# Altium PCB CU-ON-OFF-V2-08-11-18.PcbDoc (part 1 of 14)
Units mm, origin at the board's own origin, x right, y up, seen from the top; angles counter-clockwise.
Board outline 213 x 122.62 mm, 2 copper layers (Top Layer, Bottom Layer); 304 components, 53 nets, 991 pads, 702 vias.
Unrouted connection lines stored in the file: 1.
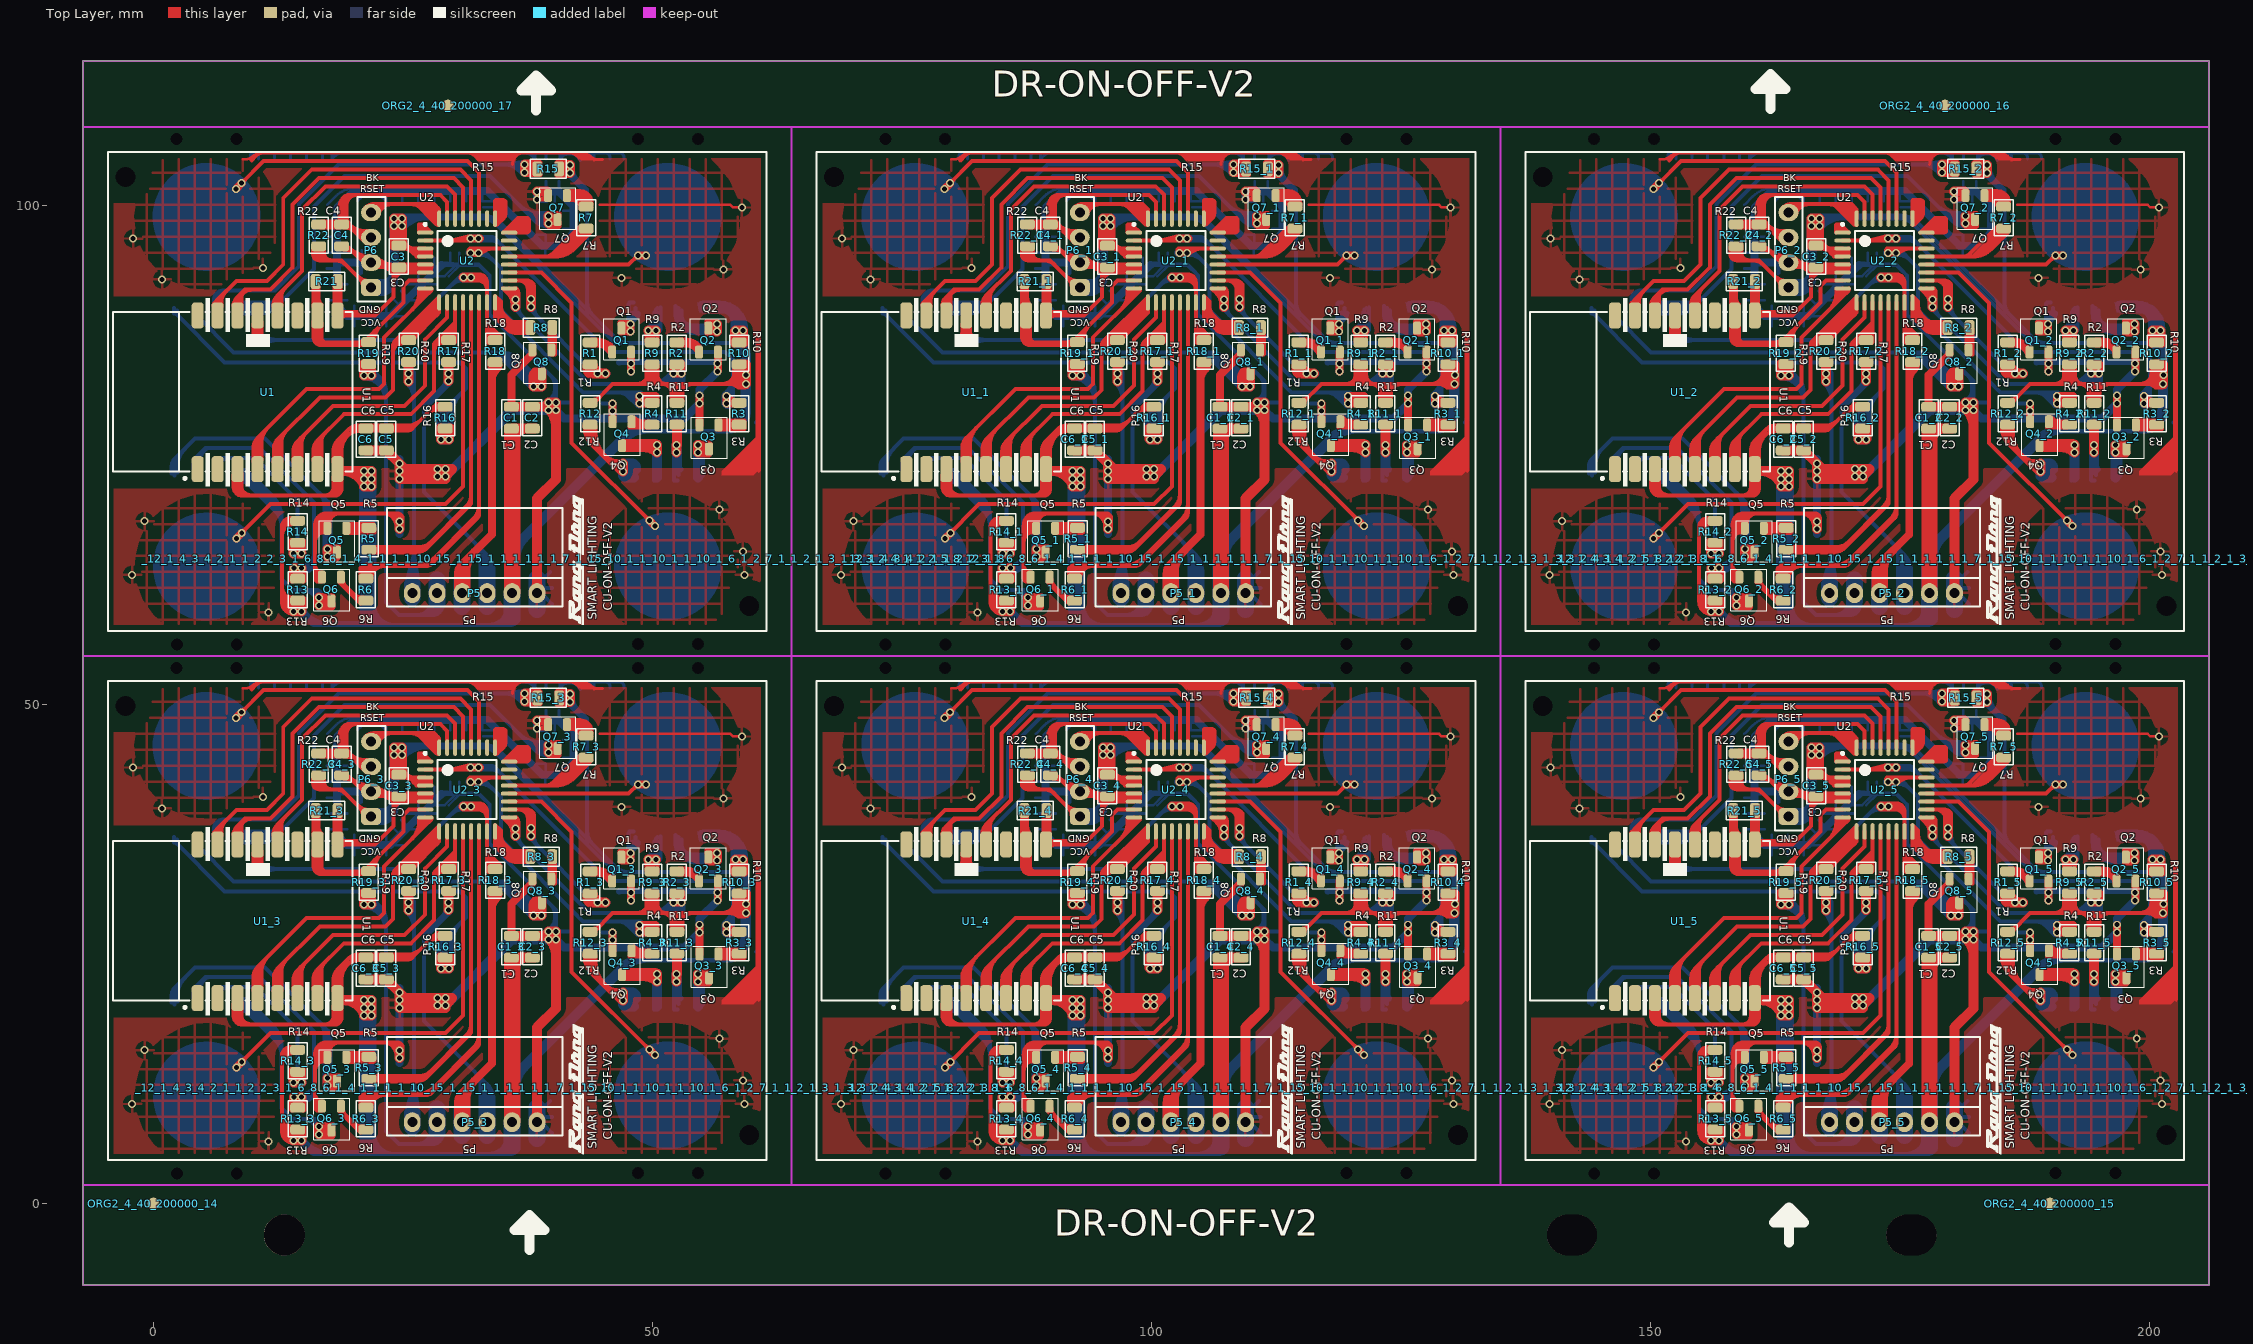
[diagram p0: Top Layer view]
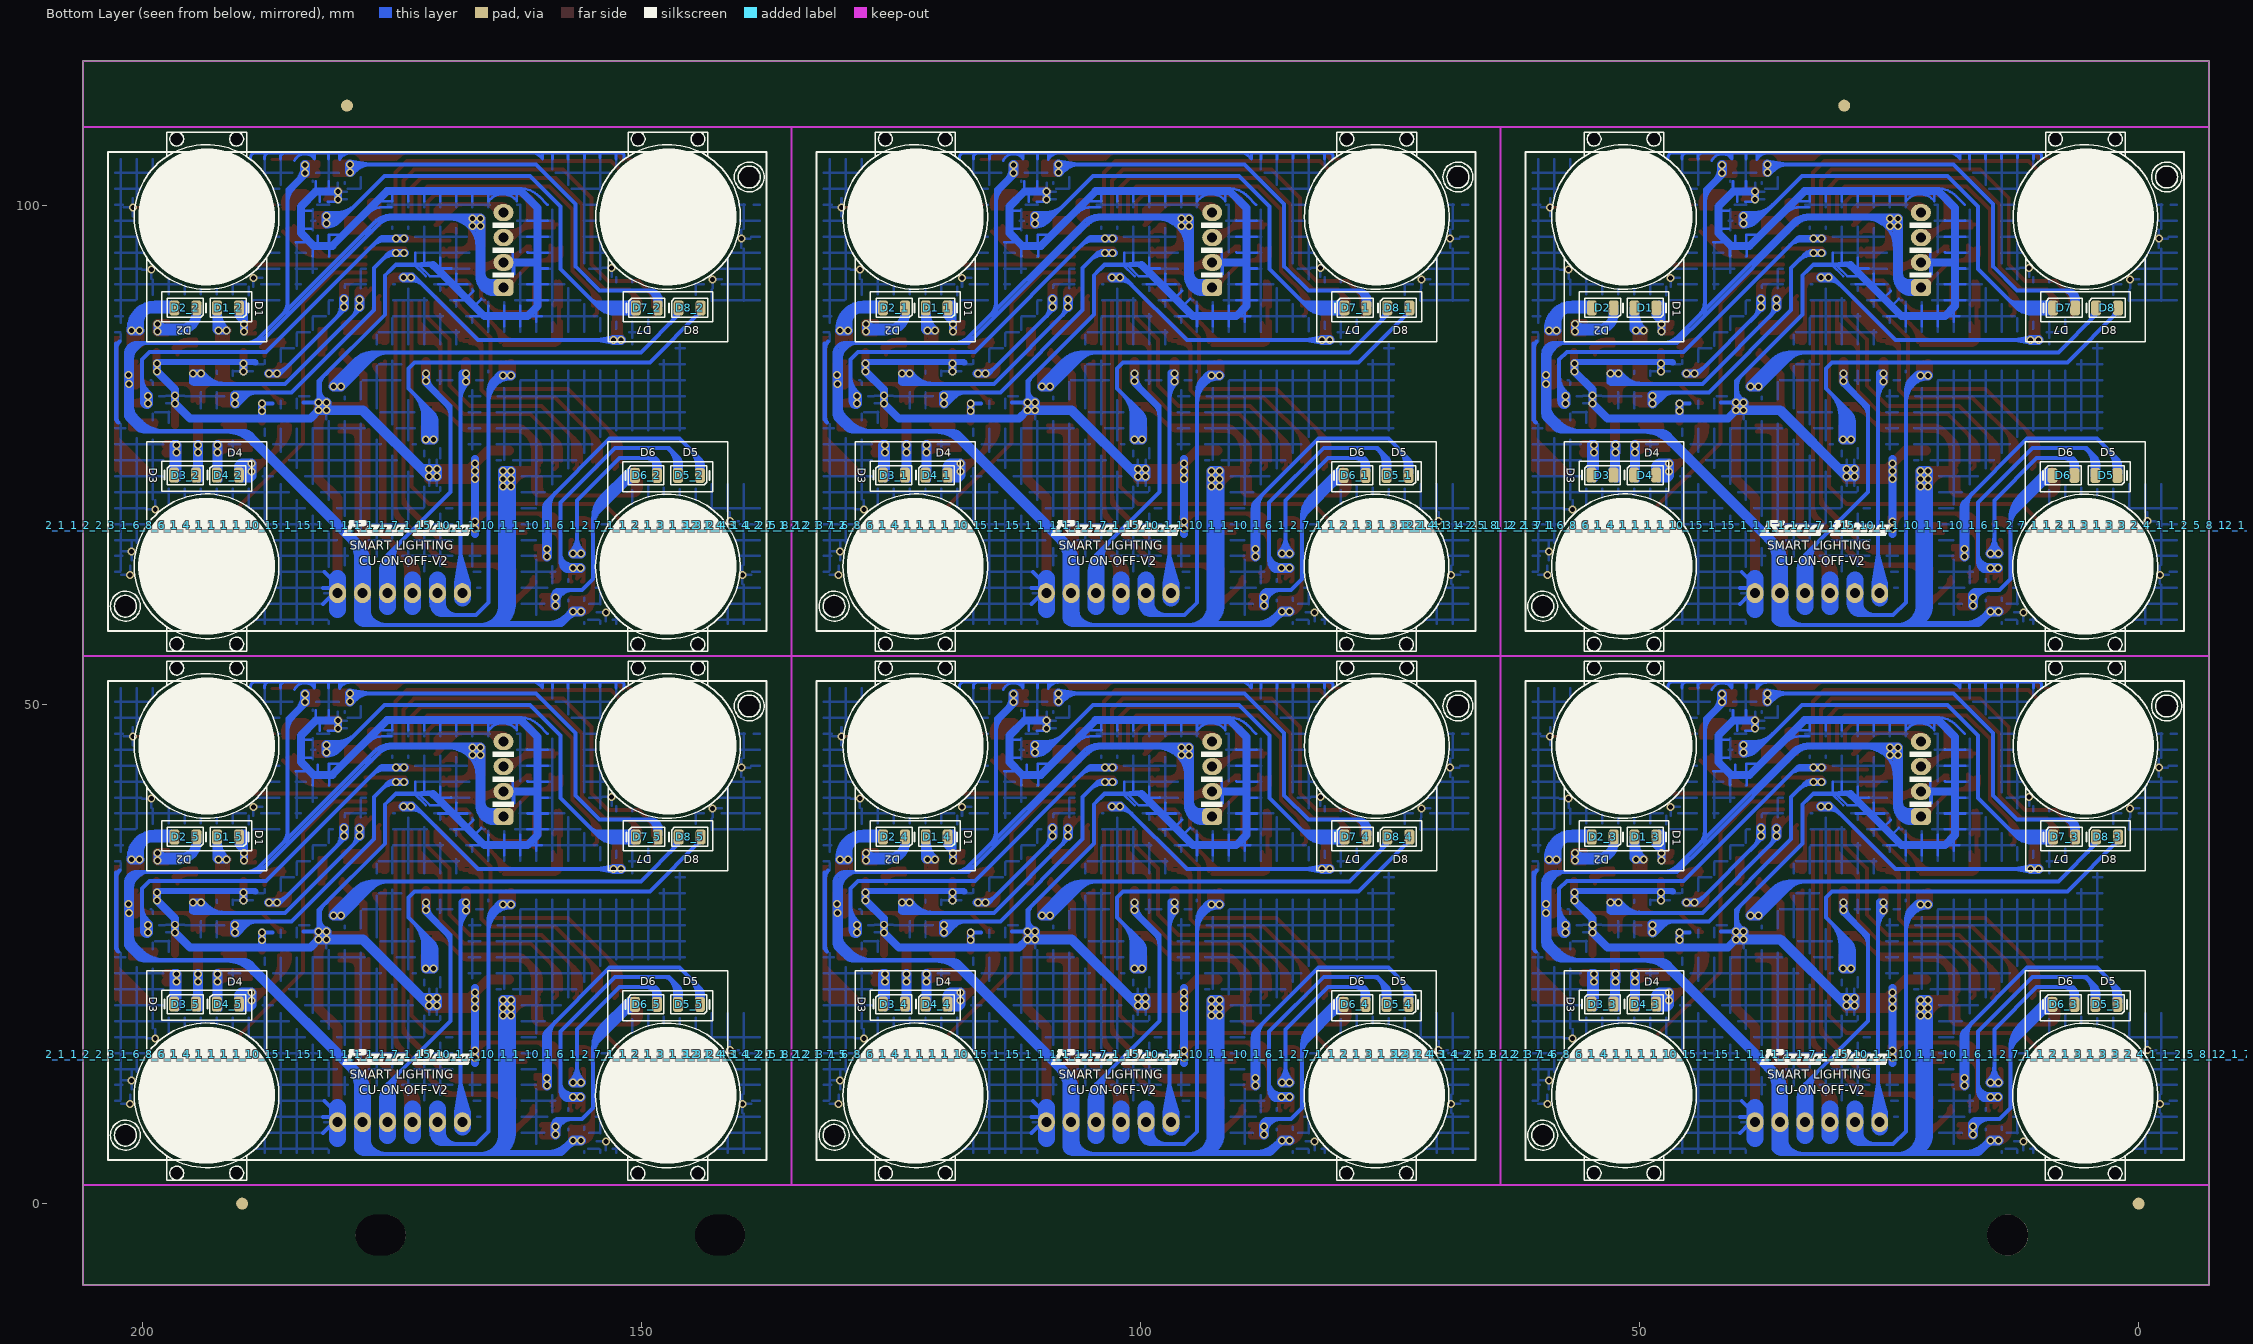
[diagram p1: Bottom Layer view, seen from below]

## Layer stack, top to bottom
Top Layer: signal copper 0.0356
Dielectric: dielectric 0.32, FR-4, Dk 4.8
Bottom Layer: signal copper 0.0356

## Board outline
-7.05,114.474 205.95,114.474 205.95,-8.149 -7.05,-8.149

## Design rules (kind name [scope] priority, off if disabled: settings)
Clearance [All] p1: gap=0.5
PolygonConnect [All] p1: connectstyle=Relief reliefconductorwidth=0.254 reliefentries=4 polygonreliefangle="90 Angle"
RoutingVias [All] p1: holewidth=0.711 width=1.27 viastyle="Through Hole" minholewidth=0.711 minwidth=1.27 maxholewidth=0.711 maxwidth=1.27
SilkscreenOverComponentPads [All] p1: minsilkscreentomaskgap=0.254
SolderMaskExpansion [All] p1: expansion=0.102
Width GND [All] p1: maxlimit=0.4 minlimit=0.4 preferedwidth=0.4
Width [InNet('GND')] p2: maxlimit=0.6 minlimit=0.6 preferedwidth=0.6
27 further rules are at their usual default settings.

## Classes and differential pairs
component class Sheet1: C1 C2 C3 C4 C5 C6 D1 D2 D3 D4 D5 D6 D7 D8 P5 P6 Q1 Q2 Q3 Q4 Q5 Q6 Q7 Q8 R1 R2 R3 R4 R5 R6 R7 R8 R9 R10 R11 R12 R13 R14 R15 R16 R17 R18 R19 R20 R21 R22 U1 U2

## Components (designator, comment, footprint, x,y, rotation, side; value= is the part's Value field where it differs from the comment)
_12_1_4_3_4_2_1_1_2_2_3_1_6_8_6_1_4_1_1_1_1_10_15_1_15_1_1_1_1_1_1_7_1_15_10_1_1_10_1_1_10_1_6_1_2_7_1_1_2_1_3_1_3_3_2_4_1_1_2_5_8_12_1_7 "" "LOGO RD" 31.321,67.936 r180 bottom
_12_1_4_3_4_2_1_1_2_2_3_1_6_8_6_1_4_1_1_1_1_10_15_1_15_1_1_1_1_1_1_7_1_15_10_1_1_10_1_1_10_1_6_1_2_7_1_1_2_1_3_1_3_3_2_4_1_1_2_5_8_12_1_7_1 "" "LOGO RD" 102.321,67.936 r180 bottom
_12_1_4_3_4_2_1_1_2_2_3_1_6_8_6_1_4_1_1_1_1_10_15_1_15_1_1_1_1_1_1_7_1_15_10_1_1_10_1_1_10_1_6_1_2_7_1_1_2_1_3_1_3_3_2_4_1_1_2_5_8_12_1_7_2 "" "LOGO RD" 173.321,67.936 r180 bottom
_12_1_4_3_4_2_1_1_2_2_3_1_6_8_6_1_4_1_1_1_1_10_15_1_15_1_1_1_1_1_1_7_1_15_10_1_1_10_1_1_10_1_6_1_2_7_1_1_2_1_3_1_3_3_2_4_1_1_2_5_8_12_1_7_3 "" "LOGO RD" 31.321,14.937 r180 bottom
_12_1_4_3_4_2_1_1_2_2_3_1_6_8_6_1_4_1_1_1_1_10_15_1_15_1_1_1_1_1_1_7_1_15_10_1_1_10_1_1_10_1_6_1_2_7_1_1_2_1_3_1_3_3_2_4_1_1_2_5_8_12_1_7_4 "" "LOGO RD" 102.321,14.937 r180 bottom
_12_1_4_3_4_2_1_1_2_2_3_1_6_8_6_1_4_1_1_1_1_10_15_1_15_1_1_1_1_1_1_7_1_15_10_1_1_10_1_1_10_1_6_1_2_7_1_1_2_1_3_1_3_3_2_4_1_1_2_5_8_12_1_7_5 "" "LOGO RD" 173.321,14.937 r180 bottom
_12_1_4_3_4_2_1_1_2_2_3_1_6_8_6_1_4_1_1_1_1_10_15_1_15_1_1_1_1_1_1_7_1_15_10_1_1_10_1_1_10_1_6_1_2_7_1_1_2_1_3_1_3_3_2_4_1_1_2_5_8_12_1_8 "" "LOGO RD" 42.115,64.591 r90 top
_12_1_4_3_4_2_1_1_2_2_3_1_6_8_6_1_4_1_1_1_1_10_15_1_15_1_1_1_1_1_1_7_1_15_10_1_1_10_1_1_10_1_6_1_2_7_1_1_2_1_3_1_3_3_2_4_1_1_2_5_8_12_1_8_1 "" "LOGO RD" 113.115,64.591 r90 top
_12_1_4_3_4_2_1_1_2_2_3_1_6_8_6_1_4_1_1_1_1_10_15_1_15_1_1_1_1_1_1_7_1_15_10_1_1_10_1_1_10_1_6_1_2_7_1_1_2_1_3_1_3_3_2_4_1_1_2_5_8_12_1_8_2 "" "LOGO RD" 184.115,64.591 r90 top
_12_1_4_3_4_2_1_1_2_2_3_1_6_8_6_1_4_1_1_1_1_10_15_1_15_1_1_1_1_1_1_7_1_15_10_1_1_10_1_1_10_1_6_1_2_7_1_1_2_1_3_1_3_3_2_4_1_1_2_5_8_12_1_8_3 "" "LOGO RD" 42.115,11.592 r90 top
_12_1_4_3_4_2_1_1_2_2_3_1_6_8_6_1_4_1_1_1_1_10_15_1_15_1_1_1_1_1_1_7_1_15_10_1_1_10_1_1_10_1_6_1_2_7_1_1_2_1_3_1_3_3_2_4_1_1_2_5_8_12_1_8_4 "" "LOGO RD" 113.115,11.592 r90 top
_12_1_4_3_4_2_1_1_2_2_3_1_6_8_6_1_4_1_1_1_1_10_15_1_15_1_1_1_1_1_1_7_1_15_10_1_1_10_1_1_10_1_6_1_2_7_1_1_2_1_3_1_3_3_2_4_1_1_2_5_8_12_1_8_5 "" "LOGO RD" 184.115,11.592 r90 top
C1 "1uF/25V/50V/0805" "tu 0805" 35.866,78.731 r0 top
C1_1 "1uF/25V/50V/0805" "tu 0805" 106.866,78.731 r0 top (schematic designator C1)
C1_2 "1uF/25V/50V/0805" "tu 0805" 177.866,78.731 r0 top (schematic designator C1)
C1_3 "1uF/25V/50V/0805" "tu 0805" 35.866,25.732 r0 top (schematic designator C1)
C1_4 "1uF/25V/50V/0805" "tu 0805" 106.866,25.732 r0 top (schematic designator C1)
C1_5 "1uF/25V/50V/0805" "tu 0805" 177.866,25.732 r0 top (schematic designator C1)
C2 "100nF/50V/0805" "tu 0805" 37.966,78.731 r0 top
C2_1 "100nF/50V/0805" "tu 0805" 108.966,78.731 r0 top (schematic designator C2)
C2_2 "100nF/50V/0805" "tu 0805" 179.966,78.731 r0 top (schematic designator C2)
C2_3 "100nF/50V/0805" "tu 0805" 37.966,25.732 r0 top (schematic designator C2)
C2_4 "100nF/50V/0805" "tu 0805" 108.966,25.732 r0 top (schematic designator C2)
C2_5 "100nF/50V/0805" "tu 0805" 179.966,25.732 r0 top (schematic designator C2)
C3 "1uF/25V/50V/0805" "tu 0805" 24.591,94.881 r0 top
C3_1 "1uF/25V/50V/0805" "tu 0805" 95.591,94.881 r0 top (schematic designator C3)
C3_2 "1uF/25V/50V/0805" "tu 0805" 166.591,94.881 r0 top (schematic designator C3)
C3_3 "1uF/25V/50V/0805" "tu 0805" 24.591,41.882 r0 top (schematic designator C3)
C3_4 "1uF/25V/50V/0805" "tu 0805" 95.591,41.882 r0 top (schematic designator C3)
C3_5 "1uF/25V/50V/0805" "tu 0805" 166.591,41.882 r0 top (schematic designator C3)
C4 "1000pF/50V/0805" "tu 0805" 18.866,97.006 r0 top
C4_1 "1000pF/50V/0805" "tu 0805" 89.866,97.006 r0 top (schematic designator C4)
C4_2 "1000pF/50V/0805" "tu 0805" 160.866,97.006 r0 top (schematic designator C4)
C4_3 "1000pF/50V/0805" "tu 0805" 18.866,44.007 r0 top (schematic designator C4)
C4_4 "1000pF/50V/0805" "tu 0805" 89.866,44.007 r0 top (schematic designator C4)
C4_5 "1000pF/50V/0805" "tu 0805" 160.866,44.007 r0 top (schematic designator C4)
C5 "100nF/50V/0805" "tu 0805" 23.341,76.556 r0 top
C5_1 "100nF/50V/0805" "tu 0805" 94.341,76.556 r0 top (schematic designator C5)
C5_2 "100nF/50V/0805" "tu 0805" 165.341,76.556 r0 top (schematic designator C5)
C5_3 "100nF/50V/0805" "tu 0805" 23.341,23.557 r0 top (schematic designator C5)
C5_4 "100nF/50V/0805" "tu 0805" 94.341,23.557 r0 top (schematic designator C5)
C5_5 "100nF/50V/0805" "tu 0805" 165.341,23.557 r0 top (schematic designator C5)
C6 "10uF/10V/0805" "tu 0805" 21.291,76.556 r0 top
C6_1 "10uF/10V/0805" "tu 0805" 92.291,76.556 r0 top (schematic designator C6)
C6_2 "10uF/10V/0805" "tu 0805" 163.291,76.556 r0 top (schematic designator C6)
C6_3 "10uF/10V/0805" "tu 0805" 21.291,23.557 r0 top (schematic designator C6)
C6_4 "10uF/10V/0805" "tu 0805" 92.291,23.557 r0 top (schematic designator C6)
C6_5 "10uF/10V/0805" "tu 0805" 163.291,23.557 r0 top (schematic designator C6)
D1 "" "LED 0805" 49.416,89.731 r90 bottom
D1_1 "" "LED 0805" 120.416,89.731 r90 bottom (schematic designator D1)
D1_2 "" "LED 0805" 191.416,89.731 r90 bottom (schematic designator D1)
D1_3 "" "LED 0805" 49.416,36.732 r90 bottom (schematic designator D1)
D1_4 "" "LED 0805" 120.416,36.732 r90 bottom (schematic designator D1)
D1_5 "" "LED 0805" 191.416,36.732 r90 bottom (schematic designator D1)
D2 "" "LED 0805" 53.691,89.731 r90 bottom
D2_1 "" "LED 0805" 124.691,89.731 r90 bottom (schematic designator D2)
D2_2 "" "LED 0805" 195.691,89.731 r90 bottom (schematic designator D2)
D2_3 "" "LED 0805" 53.691,36.732 r90 bottom (schematic designator D2)
D2_4 "" "LED 0805" 124.691,36.732 r90 bottom (schematic designator D2)
D2_5 "" "LED 0805" 195.691,36.732 r90 bottom (schematic designator D2)
D3 "" "LED 0805" 53.716,72.981 r270 bottom
D3_1 "" "LED 0805" 124.716,72.981 r270 bottom (schematic designator D3)
D3_2 "" "LED 0805" 195.716,72.981 r270 bottom (schematic designator D3)
D3_3 "" "LED 0805" 53.716,19.982 r270 bottom (schematic designator D3)
D3_4 "" "LED 0805" 124.716,19.982 r270 bottom (schematic designator D3)
D3_5 "" "LED 0805" 195.716,19.982 r270 bottom (schematic designator D3)
D4 "" "LED 0805" 49.441,72.981 r270 bottom
D4_1 "" "LED 0805" 120.441,72.981 r270 bottom (schematic designator D4)
D4_2 "" "LED 0805" 191.441,72.981 r270 bottom (schematic designator D4)
D4_3 "" "LED 0805" 49.441,19.982 r270 bottom (schematic designator D4)
D4_4 "" "LED 0805" 120.441,19.982 r270 bottom (schematic designator D4)
D4_5 "" "LED 0805" 191.441,19.982 r270 bottom (schematic designator D4)
D5 "" "LED 0805" 3.241,72.956 r90 bottom
D5_1 "" "LED 0805" 74.241,72.956 r90 bottom (schematic designator D5)
D5_2 "" "LED 0805" 145.241,72.956 r90 bottom (schematic designator D5)
D5_3 "" "LED 0805" 3.241,19.957 r90 bottom (schematic designator D5)
D5_4 "" "LED 0805" 74.241,19.957 r90 bottom (schematic designator D5)
D5_5 "" "LED 0805" 145.241,19.957 r90 bottom (schematic designator D5)
D6 "" "LED 0805" 7.541,72.956 r270 bottom
D6_1 "" "LED 0805" 78.541,72.956 r270 bottom (schematic designator D6)
D6_2 "" "LED 0805" 149.541,72.956 r270 bottom (schematic designator D6)
D6_3 "" "LED 0805" 7.541,19.957 r270 bottom (schematic designator D6)
D6_4 "" "LED 0805" 78.541,19.957 r270 bottom (schematic designator D6)
D6_5 "" "LED 0805" 149.541,19.957 r270 bottom (schematic designator D6)
D7 "" "LED 0805" 7.466,89.731 r270 bottom
D7_1 "" "LED 0805" 78.466,89.731 r270 bottom (schematic designator D7)
D7_2 "" "LED 0805" 149.466,89.731 r270 bottom (schematic designator D7)
D7_3 "" "LED 0805" 7.466,36.732 r270 bottom (schematic designator D7)
D7_4 "" "LED 0805" 78.466,36.732 r270 bottom (schematic designator D7)
D7_5 "" "LED 0805" 149.466,36.732 r270 bottom (schematic designator D7)
D8 "" "LED 0805" 3.166,89.731 r270 bottom
D8_1 "" "LED 0805" 74.166,89.731 r270 bottom (schematic designator D8)
D8_2 "" "LED 0805" 145.166,89.731 r270 bottom (schematic designator D8)
D8_3 "" "LED 0805" 3.166,36.732 r270 bottom (schematic designator D8)
D8_4 "" "LED 0805" 74.166,36.732 r270 bottom (schematic designator D8)
D8_5 "" "LED 0805" 145.166,36.732 r270 bottom (schematic designator D8)
ORG2_4_40_200000_14 "" "ORIGIN 1" 0,0 r270 top (schematic designator ORG2)
ORG2_4_40_200000_15 "" "ORIGIN 1" 190,0 r270 top (schematic designator ORG2)
ORG2_4_40_200000_16 "" "ORIGIN 1" 179.5,110 r270 top (schematic designator ORG2)
ORG2_4_40_200000_17 "" "ORIGIN 1" 29.5,110 r270 top (schematic designator ORG2)
P5 "Header 6" "Jum 6 nam" 32.191,61.156 r90 top
P5_1 "Header 6" "Jum 6 nam" 103.191,61.156 r90 top (schematic designator P5)
P5_2 "Header 6" "Jum 6 nam" 174.191,61.156 r90 top (schematic designator P5)
P5_3 "Header 6" "Jum 6 nam" 32.191,8.157 r90 top (schematic designator P5)
P5_4 "Header 6" "Jum 6 nam" 103.191,8.157 r90 top (schematic designator P5)
P5_5 "Header 6" "Jum 6 nam" 174.191,8.157 r90 top (schematic designator P5)
P6 "" "Jum 4 nho" 21.816,95.531 r0 top
P6_1 "" "Jum 4 nho" 92.816,95.531 r0 top (schematic designator P6)
P6_2 "" "Jum 4 nho" 163.816,95.531 r0 top (schematic designator P6)
P6_3 "" "Jum 4 nho" 21.816,42.532 r0 top (schematic designator P6)
P6_4 "" "Jum 4 nho" 92.816,42.532 r0 top (schematic designator P6)
P6_5 "" "Jum 4 nho" 163.816,42.532 r0 top (schematic designator P6)
Q1 "C1815" C1815SMD 46.916,86.506 r0 top
Q1_1 "C1815" C1815SMD 117.916,86.506 r0 top (schematic designator Q1)
Q1_2 "C1815" C1815SMD 188.916,86.506 r0 top (schematic designator Q1)
Q1_3 "C1815" C1815SMD 46.916,33.507 r0 top (schematic designator Q1)
Q1_4 "C1815" C1815SMD 117.916,33.507 r0 top (schematic designator Q1)
Q1_5 "C1815" C1815SMD 188.916,33.507 r0 top (schematic designator Q1)
Q2 "C1815" C1815SMD 55.616,86.506 r0 top
Q2_1 "C1815" C1815SMD 126.616,86.506 r0 top (schematic designator Q2)
Q2_2 "C1815" C1815SMD 197.616,86.506 r0 top (schematic designator Q2)
Q2_3 "C1815" C1815SMD 55.616,33.507 r0 top (schematic designator Q2)
Q2_4 "C1815" C1815SMD 126.616,33.507 r0 top (schematic designator Q2)
Q2_5 "C1815" C1815SMD 197.616,33.507 r0 top (schematic designator Q2)
Q3 "C1815" C1815SMD 55.666,76.806 r180 top
Q3_1 "C1815" C1815SMD 126.666,76.806 r180 top (schematic designator Q3)
Q3_2 "C1815" C1815SMD 197.666,76.806 r180 top (schematic designator Q3)
Q3_3 "C1815" C1815SMD 55.666,23.807 r180 top (schematic designator Q3)
Q3_4 "C1815" C1815SMD 126.666,23.807 r180 top (schematic designator Q3)
Q3_5 "C1815" C1815SMD 197.666,23.807 r180 top (schematic designator Q3)
Q4 "C1815" C1815SMD 46.966,77.131 r180 top
Q4_1 "C1815" C1815SMD 117.966,77.131 r180 top (schematic designator Q4)
Q4_2 "C1815" C1815SMD 188.966,77.131 r180 top (schematic designator Q4)
Q4_3 "C1815" C1815SMD 46.966,24.132 r180 top (schematic designator Q4)
Q4_4 "C1815" C1815SMD 117.966,24.132 r180 top (schematic designator Q4)
Q4_5 "C1815" C1815SMD 188.966,24.132 r180 top (schematic designator Q4)
Q5 "C1815" C1815SMD 18.391,66.456 r180 top
Q5_1 "C1815" C1815SMD 89.391,66.456 r180 top (schematic designator Q5)
Q5_2 "C1815" C1815SMD 160.391,66.456 r180 top (schematic designator Q5)
Q5_3 "C1815" C1815SMD 18.391,13.457 r180 top (schematic designator Q5)
Q5_4 "C1815" C1815SMD 89.391,13.457 r180 top (schematic designator Q5)
Q5_5 "C1815" C1815SMD 160.391,13.457 r180 top (schematic designator Q5)
Q6 "C1815" C1815SMD 17.841,61.556 r180 top
Q6_1 "C1815" C1815SMD 88.841,61.556 r180 top (schematic designator Q6)
Q6_2 "C1815" C1815SMD 159.841,61.556 r180 top (schematic designator Q6)
Q6_3 "C1815" C1815SMD 17.841,8.557 r180 top (schematic designator Q6)
Q6_4 "C1815" C1815SMD 88.841,8.557 r180 top (schematic designator Q6)
Q6_5 "C1815" C1815SMD 159.841,8.557 r180 top (schematic designator Q6)
Q7 "C1815" C1815SMD 40.491,99.781 r180 top
Q7_1 "C1815" C1815SMD 111.491,99.781 r180 top (schematic designator Q7)
Q7_2 "C1815" C1815SMD 182.491,99.781 r180 top (schematic designator Q7)
Q7_3 "C1815" C1815SMD 40.491,46.782 r180 top (schematic designator Q7)
Q7_4 "C1815" C1815SMD 111.491,46.782 r180 top (schematic designator Q7)
Q7_5 "C1815" C1815SMD 182.491,46.782 r180 top (schematic designator Q7)
Q8 "C1815" C1815SMD 38.916,84.331 r180 top
Q8_1 "C1815" C1815SMD 109.916,84.331 r180 top (schematic designator Q8)
Q8_2 "C1815" C1815SMD 180.916,84.331 r180 top (schematic designator Q8)
Q8_3 "C1815" C1815SMD 38.916,31.332 r180 top (schematic designator Q8)
Q8_4 "C1815" C1815SMD 109.916,31.332 r180 top (schematic designator Q8)
Q8_5 "C1815" C1815SMD 180.916,31.332 r180 top (schematic designator Q8)
R1 "2K2" R0805 43.766,85.181 r0 top
R1_1 "2K2" R0805 114.766,85.181 r0 top (schematic designator R1)
R1_2 "2K2" R0805 185.766,85.181 r0 top (schematic designator R1)
R1_3 "2K2" R0805 43.766,32.182 r0 top (schematic designator R1)
R1_4 "2K2" R0805 114.766,32.182 r0 top (schematic designator R1)
R1_5 "2K2" R0805 185.766,32.182 r0 top (schematic designator R1)
R2 "2K2" R0805 52.441,85.181 r0 top
R2_1 "2K2" R0805 123.441,85.181 r0 top (schematic designator R2)
R2_2 "2K2" R0805 194.441,85.181 r0 top (schematic designator R2)
R2_3 "2K2" R0805 52.441,32.182 r0 top (schematic designator R2)
R2_4 "2K2" R0805 123.441,32.182 r0 top (schematic designator R2)
R2_5 "2K2" R0805 194.441,32.182 r0 top (schematic designator R2)
R3 "2K2" R0805 58.691,79.131 r180 top
R3_1 "2K2" R0805 129.691,79.131 r180 top (schematic designator R3)
R3_2 "2K2" R0805 200.691,79.131 r180 top (schematic designator R3)
R3_3 "2K2" R0805 58.691,26.132 r180 top (schematic designator R3)
R3_4 "2K2" R0805 129.691,26.132 r180 top (schematic designator R3)
R3_5 "2K2" R0805 200.691,26.132 r180 top (schematic designator R3)
R4 "2K2" R0805 49.966,79.131 r180 top
R4_1 "2K2" R0805 120.966,79.131 r180 top (schematic designator R4)
R4_2 "2K2" R0805 191.966,79.131 r180 top (schematic designator R4)
R4_3 "2K2" R0805 49.966,26.132 r180 top (schematic designator R4)
R4_4 "2K2" R0805 120.966,26.132 r180 top (schematic designator R4)
R4_5 "2K2" R0805 191.966,26.132 r180 top (schematic designator R4)
R5 "2K2" R0805 21.591,66.606 r0 top
R5_1 "2K2" R0805 92.591,66.606 r0 top (schematic designator R5)
R5_2 "2K2" R0805 163.591,66.606 r0 top (schematic designator R5)
R5_3 "2K2" R0805 21.591,13.607 r0 top (schematic designator R5)
R5_4 "2K2" R0805 92.591,13.607 r0 top (schematic designator R5)
R5_5 "2K2" R0805 163.591,13.607 r0 top (schematic designator R5)
R6 "2K2" R0805 21.291,61.506 r180 top
R6_1 "2K2" R0805 92.291,61.506 r180 top (schematic designator R6)
R6_2 "2K2" R0805 163.291,61.506 r180 top (schematic designator R6)
R6_3 "2K2" R0805 21.291,8.507 r180 top (schematic designator R6)
R6_4 "2K2" R0805 92.291,8.507 r180 top (schematic designator R6)
R6_5 "2K2" R0805 163.291,8.507 r180 top (schematic designator R6)
R7 "2K2" R0805 43.366,98.781 r0 top
R7_1 "2K2" R0805 114.366,98.781 r0 top (schematic designator R7)
R7_2 "2K2" R0805 185.366,98.781 r0 top (schematic designator R7)
R7_3 "2K2" R0805 43.366,45.782 r0 top (schematic designator R7)
R7_4 "2K2" R0805 114.366,45.782 r0 top (schematic designator R7)
R7_5 "2K2" R0805 185.366,45.782 r0 top (schematic designator R7)
R8 "2K2" R0805 38.866,87.756 r270 top
R8_1 "2K2" R0805 109.866,87.756 r270 top (schematic designator R8)
R8_2 "2K2" R0805 180.866,87.756 r270 top (schematic designator R8)
R8_3 "2K2" R0805 38.866,34.757 r270 top (schematic designator R8)
R8_4 "2K2" R0805 109.866,34.757 r270 top (schematic designator R8)
R8_5 "2K2" R0805 180.866,34.757 r270 top (schematic designator R8)
R9 "100R" R0805 49.966,85.181 r180 top
R9_1 "100R" R0805 120.966,85.181 r180 top (schematic designator R9)
R9_2 "100R" R0805 191.966,85.181 r180 top (schematic designator R9)
R9_3 "100R" R0805 49.966,32.182 r180 top (schematic designator R9)
R9_4 "100R" R0805 120.966,32.182 r180 top (schematic designator R9)
R9_5 "100R" R0805 191.966,32.182 r180 top (schematic designator R9)
R10 "100R" R0805 58.691,85.181 r180 top
R10_1 "100R" R0805 129.691,85.181 r180 top (schematic designator R10)
R10_2 "100R" R0805 200.691,85.181 r180 top (schematic designator R10)
R10_3 "100R" R0805 58.691,32.182 r180 top (schematic designator R10)
R10_4 "100R" R0805 129.691,32.182 r180 top (schematic designator R10)
R10_5 "100R" R0805 200.691,32.182 r180 top (schematic designator R10)
R11 "100R" R0805 52.441,79.131 r0 top
R11_1 "100R" R0805 123.441,79.131 r0 top (schematic designator R11)
R11_2 "100R" R0805 194.441,79.131 r0 top (schematic designator R11)
R11_3 "100R" R0805 52.441,26.132 r0 top (schematic designator R11)
R11_4 "100R" R0805 123.441,26.132 r0 top (schematic designator R11)
R11_5 "100R" R0805 194.441,26.132 r0 top (schematic designator R11)